# KiCad board ovc5.kicad_pcb (continued)
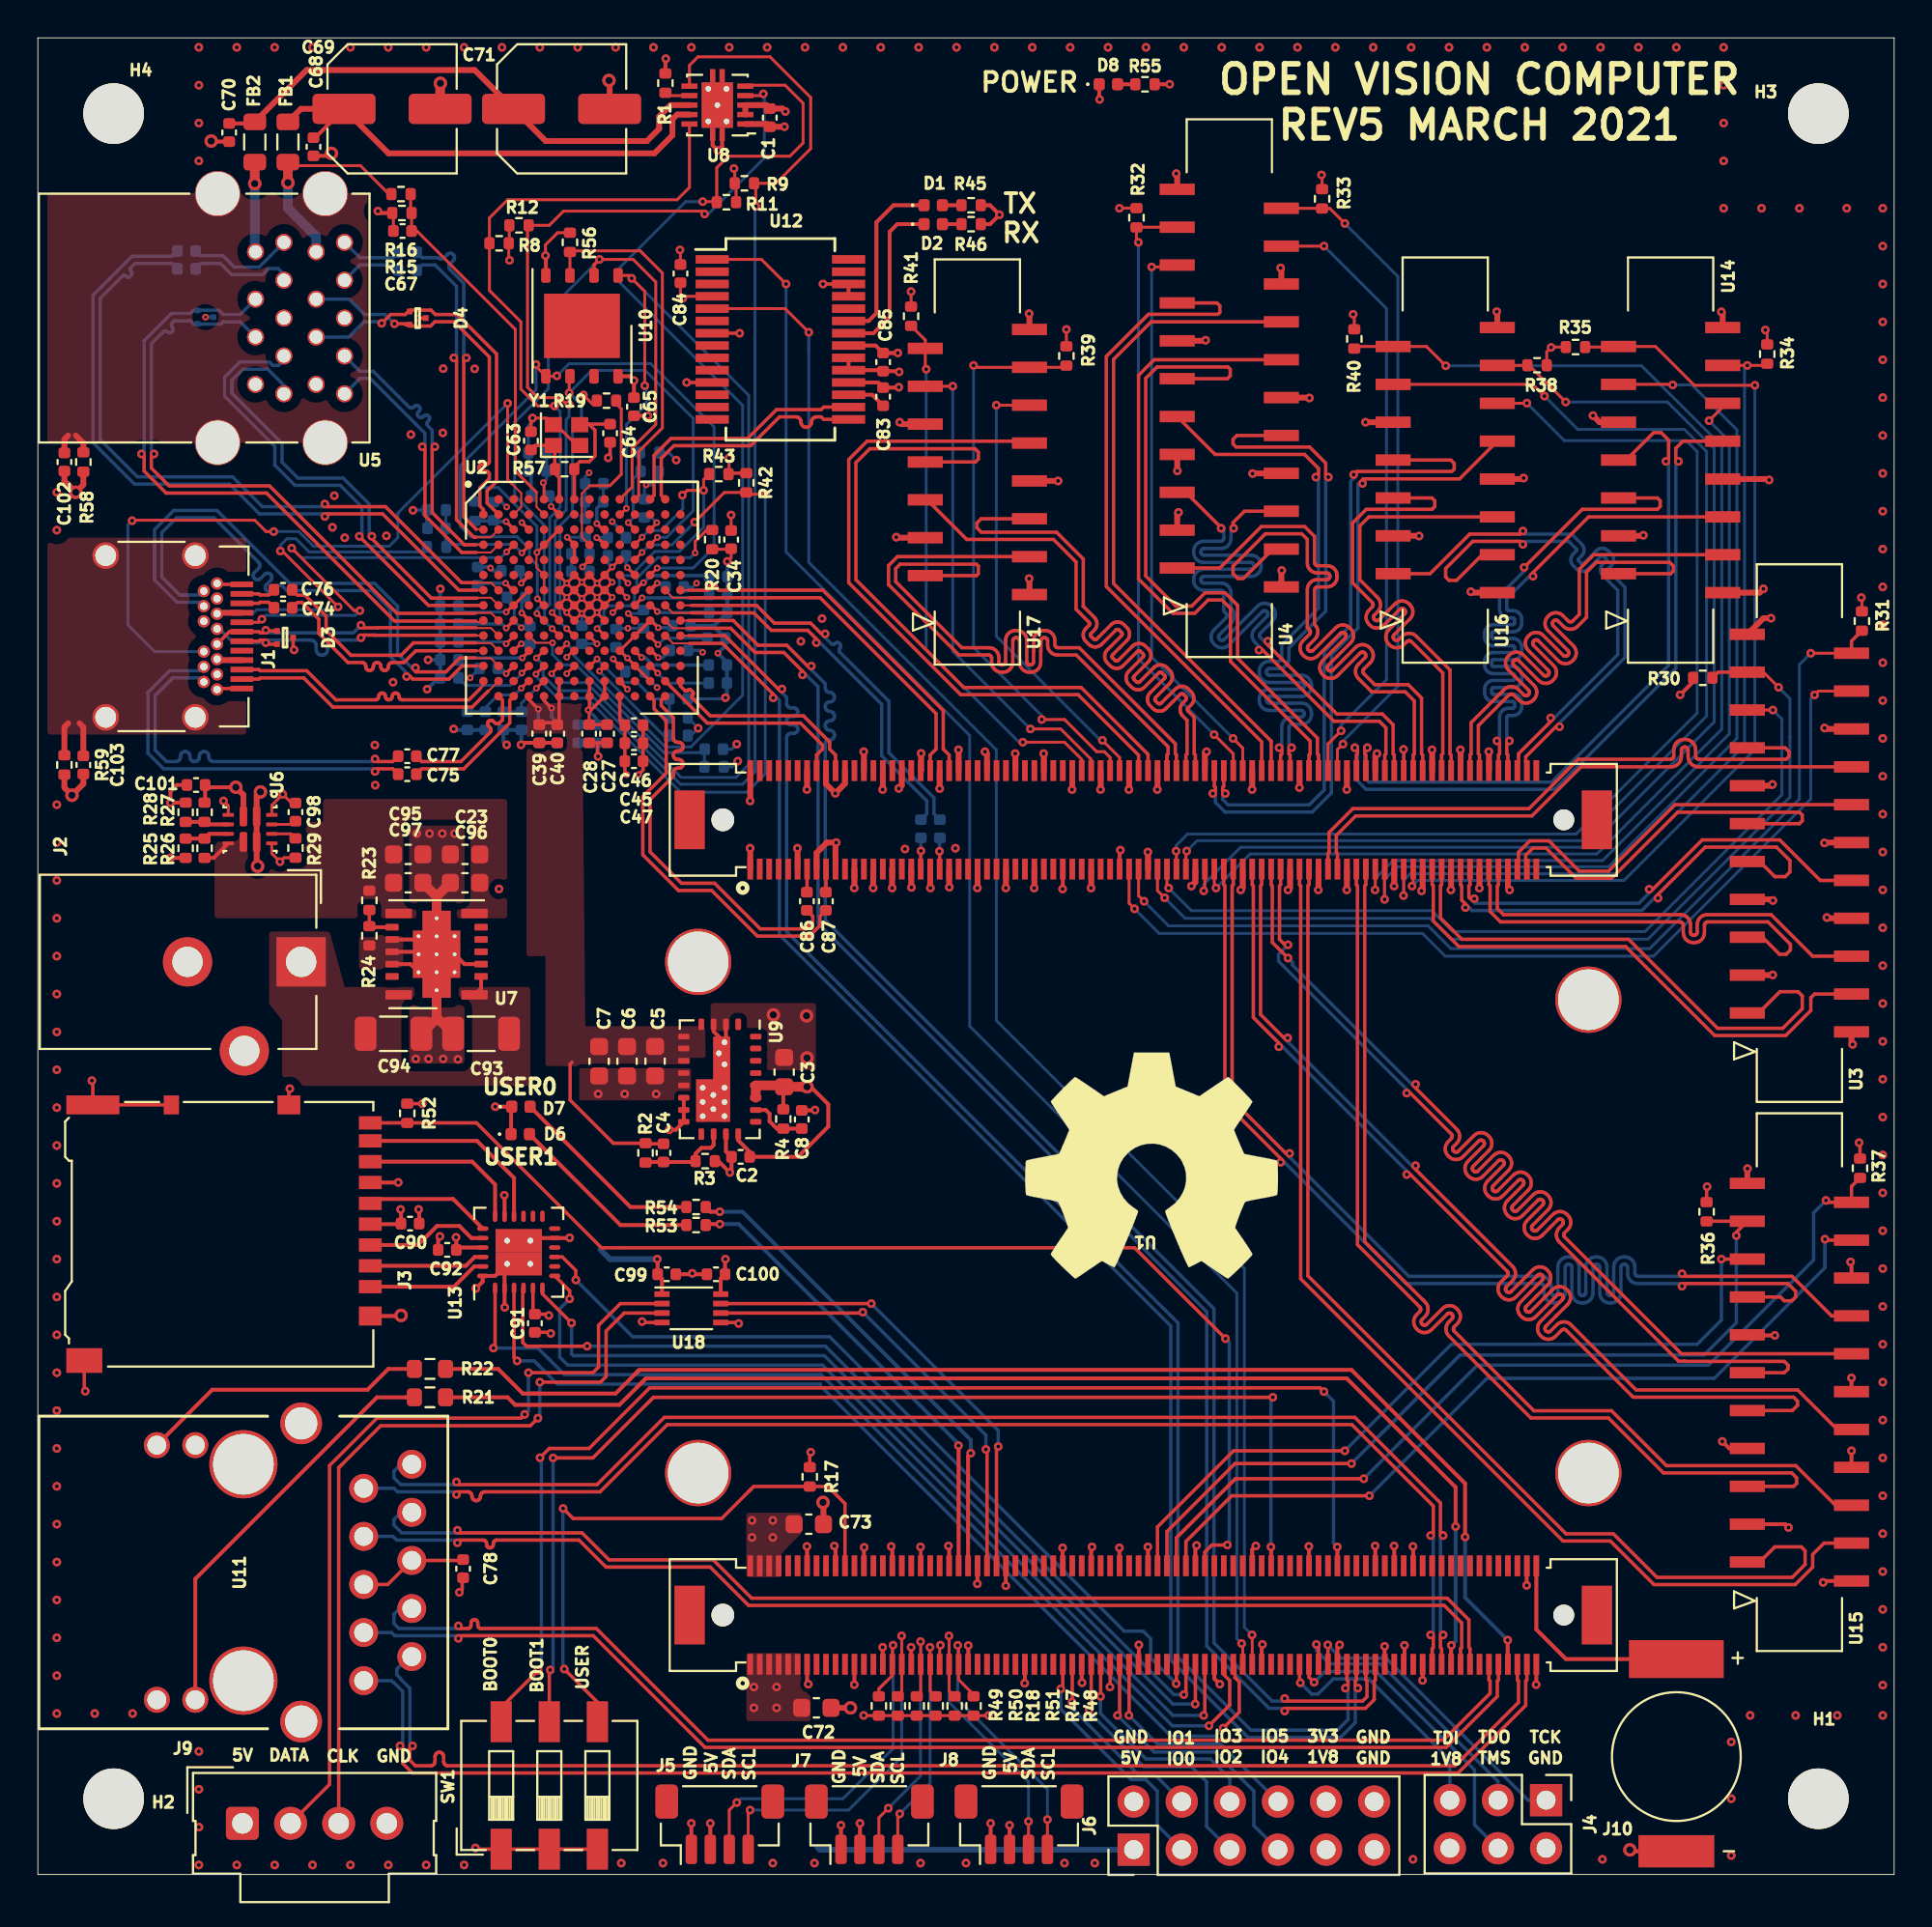
[diagram p0: board, top side]
## Copper pours and planes (outline as drawn; the poured copper is in the pictures) (continued)
+1V2 on Top: 28.74,61.86 28.9,44.8 35.23,44.81 35.25,43.13 34.43,43.13 34.43,42.63 26.8,42.7 26.8,48.5 25.8,48.5 25.8,61.86
+1V8 on In3.Cu: 98,0 0,0 0,97 98,97
+3V3 on In2.Cu: 98,0 0,0 0,97 98,97
+5V on Top: 40.3,18 39.4,17.1 39.4,15.7 37.4,15.7 37.4,19.1 40.3,19.1
+5V on Top: 40.5,9.7 40.8,9.4 40.8,8.1 37.4,8.1 37.4,11.7 40.5,11.7
+5V on Bottom: 30.4,29.9 42.4,17.9 42.4,0 0,0 0,57.5 30.4,57.5
+5V on In3.Cu: 40.25,88 30.8,87.95 30.8,73.1 39.1,73.1 39.1,59.1 30.4,59.1 30.4,41.5 0,41.5 0,97 40.25,97
/USB/1V0_PHY on In3.Cu: 33,61.2 24.45,61.2 24.45,68.45 33,68.45
/USB/VDD10 on In3.Cu: 31.6,66.35 25.25,66.35 25.25,69.4 31.6,69.4
GND on Top: 22.52,42.83 19.6,42.83 19.6,47.8 16.95,47.8 16.95,49.67 19.6,49.67 19.6,55.4 22.52,55.4
GND on Top: 41.08,46.03 41.08,42.47 38.48,42.47 38.48,44.55 35.52,44.55 35.52,46.03
GND on Top: 34.48,42.58 34.48,40.88 28.58,40.88 28.58,42.58
GND on In1.Cu, In4.Cu: 98,0 0,0 0,97 98,97
/Power/VAUX on Top: 26,41.65 12.9,41.65 12.9,45.1 12.2,46 12.2,49.8 15.4,49.8 16.2,46.88 26,46.88
/Power/VREG on Top: 24.77,50.5 9.33,50.5 9.33,55.6 15.06,55.6 15.06,56.8 24.77,56.8
/USB/A_SHIELD on Top: 17.4,75.6 0,75.6 0,88.8 17.4,88.8
/USB/C_SHIELD on Top: 11,60.2 0,60.2 0,70.6 11,70.6

## Text on the board
F.Silkscreen: 5V | DATA | CLK | GND | IO1 | IO0 | IO3 | IO2 | IO5 | IO4 | 3V3 | 1V8 | TDI | TDO | TMS | TCK | BOOT0 | BOOT1 | USER | SDA | SCL | USER0 | USER1 | TX | RX | POWER | OPEN VISION COMPUTER / REV5 MARCH 2021
